# KiCad board Zynq_SoM.kicad_pcb
title: Board Layout; date: 2024-09-22; rev: 1.0; company: Asdrubale
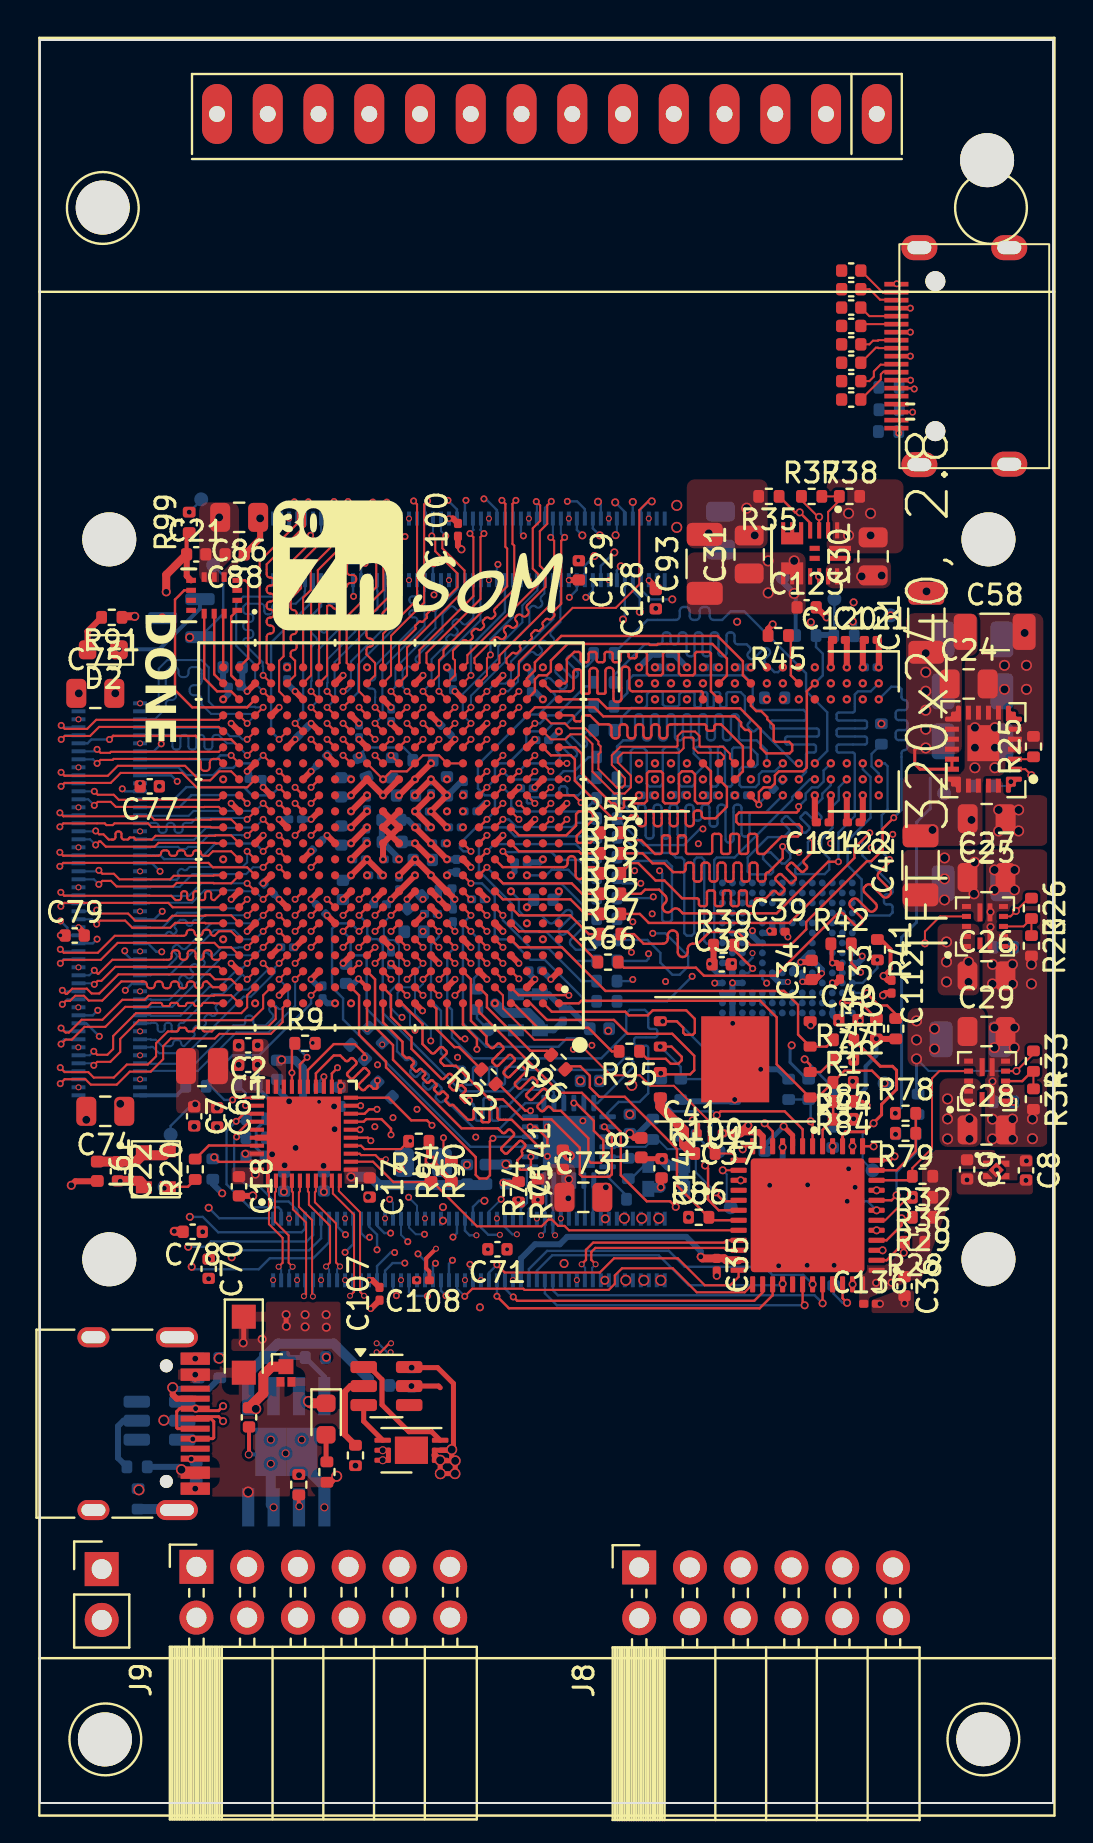
[diagram p0: board, top side]
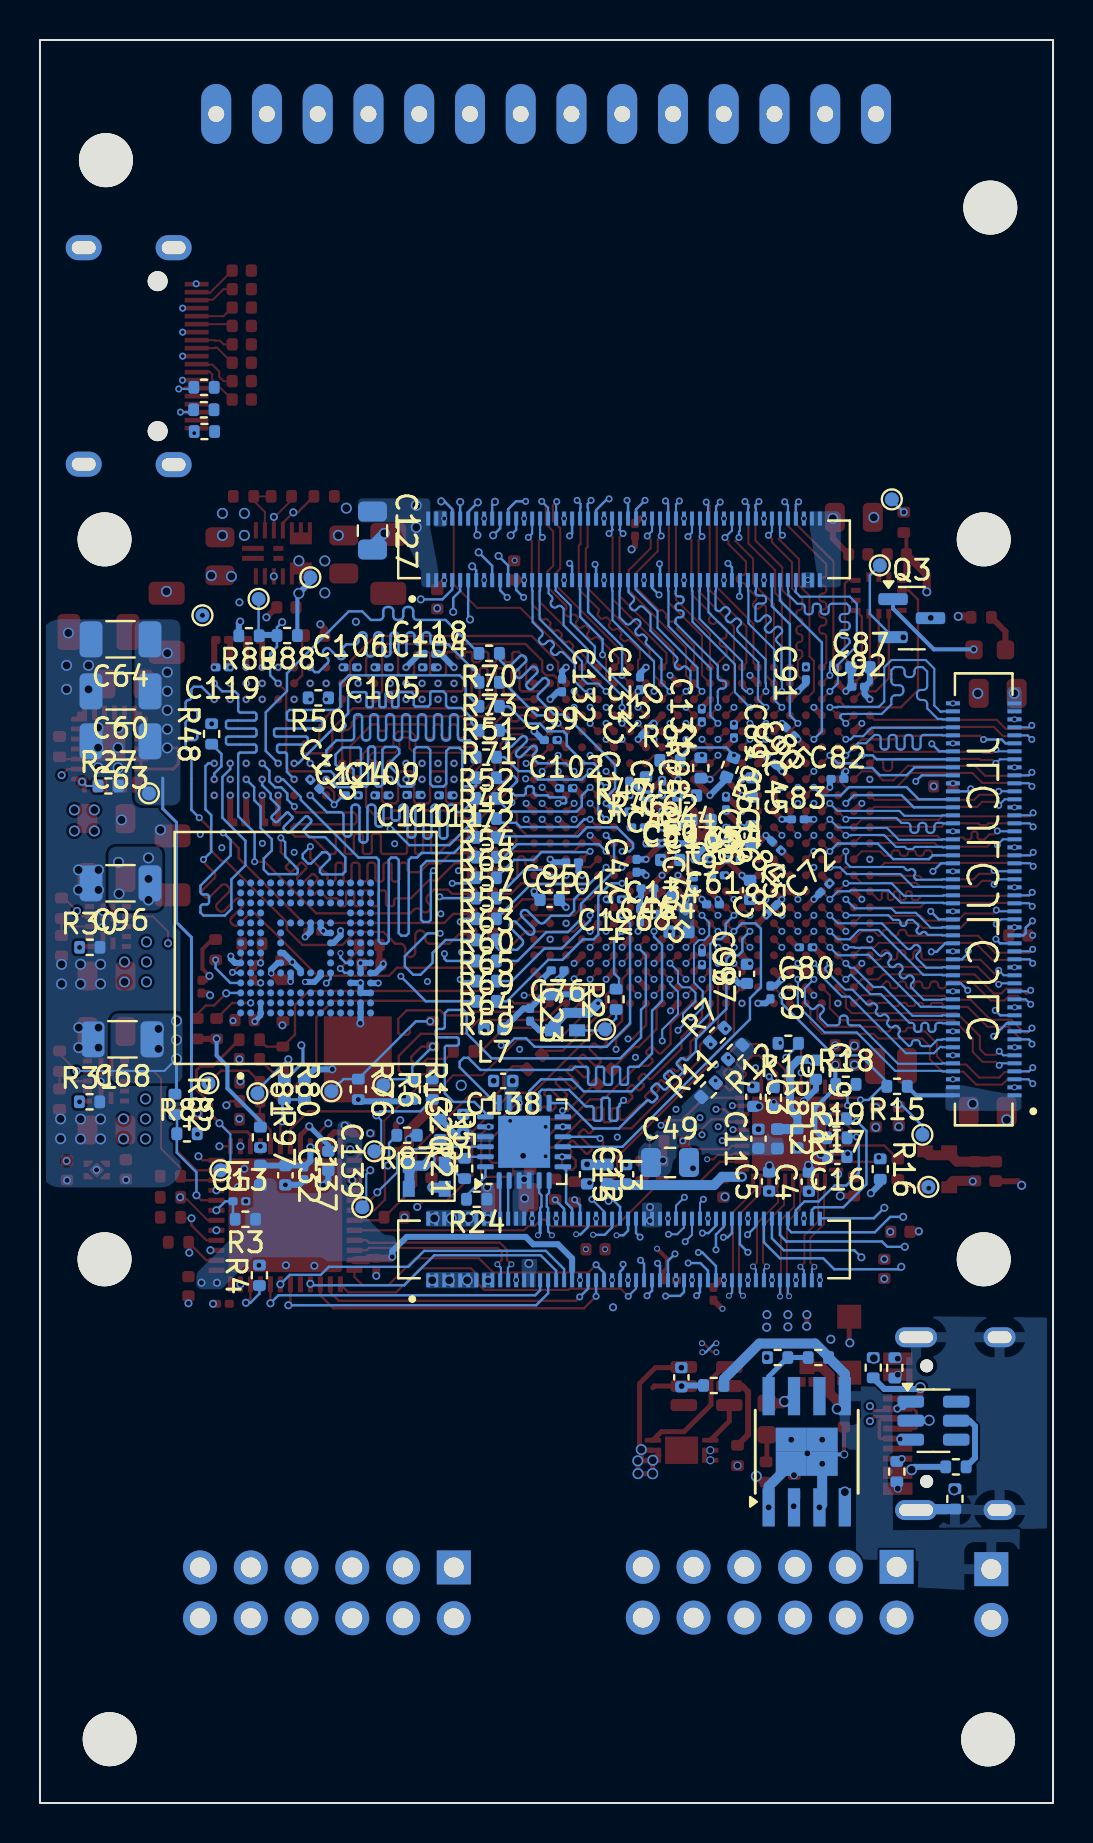
[diagram p1: board, bottom side, seen from below]

Outline 50.7 x 88.16 mm; copper layers: L1 (Sig), L2 (Gnd) (plane), L3 (Pwr) (plane), L4 (Sig+Pwr), L5 (Gnd) (plane), L6 (Sig+Pwr), L7 (Gnd) (plane), L8 (Sig). Coordinates in mm from the lower left corner of the outline.
Outline path: rectangle 0,88.16 50.7,0
Stack: L1 (Sig) 0.035mm / dielectric 0.0764mm FR4 er 3.91 / L2 (Gnd) 0.0152mm / dielectric 0.2mm FR4 er 4.36 / L3 (Pwr) 0.0152mm / dielectric 0.1528mm FR4 er 3.91 / L4 (Sig+Pwr) 0.0152mm / dielectric 0.2mm FR4 er 4.36 / L5 (Gnd) 0.0152mm / dielectric 0.1528mm FR4 er 3.91 / L6 (Sig+Pwr) 0.0152mm / dielectric 0.2mm FR4 er 4.36 / L7 (Gnd) 0.0152mm / dielectric 0.0764mm FR4 er 3.91 / L8 (Sig) 0.035mm

## Placement (name value [footprint] x y rotation side)
C1  4u7  [C_0402_1005Metric]  10.42 36.91 180 top
C2  100n  [C_0402_1005Metric]  10.42 37.89 180 top
C3  100n  [C_0402_1005Metric]  14.99 35.31 270 bottom
C4  100n  [C_0402_1005Metric]  12.22 31.07 90 bottom
C5  100n  [C_0402_1005Metric]  14.21 31.08 90 bottom
C6  100n  [C_0402_1005Metric]  8.87 34.29 270 top
C7  4u7  [C_0402_1005Metric]  7.72 34.34 270 top
C8  4u7  [C_0402_1005Metric]  49.35 31.63 270 top
C9  4u7  [C_0402_1005Metric]  46.4 31.68 270 top
C10  4u7  [C_0402_1005Metric]  12.79 33.24 270 bottom
C11  4u7  [C_0402_1005Metric]  14.74 33.21 90 bottom
C12  4u7  [C_0402_1005Metric]  23.32 31.44 270 bottom
C13  470n  [C_0201_0603Metric]  40.72 30.09 180 bottom
C15  4u7  [C_0402_1005Metric]  21.37 31.44 90 bottom
C16  100n  [C_0402_1005Metric]  10.79 32.31 0 bottom
C17  100n  [C_0402_1005Metric]  16.5 30.78 270 top
C18  100n  [C_0402_1005Metric]  9.96 30.84 270 top
C19  100n  [C_0402_1005Metric]  11.87 36.66 270 bottom
C20  100n  [C_0402_1005Metric]  29.52 33.96 90 bottom
C21  100n  [C_0402_1005Metric]  7.82 62.44 0 top
C22  100n  [C_0402_1005Metric]  3.9 31.59 270 top
C23  470n  [C_0201_0603Metric]  26.17 39.41 270 bottom
C24  47u  [C_0805_2012Metric]  46.48 55.96 0 top
C25  22u  [C_0805_2012Metric]  47.38 49.22 180 top
C26  22u  [C_0805_2012Metric]  47.37 41.36 0 top
C27  47u  [C_0805_2012Metric]  47.37 46.28 0 top
C28  47u  [C_0805_2012Metric]  47.37 33.66 0 top
C29  47u  [C_0805_2012Metric]  47.37 38.58 0 top
C30  22u  [C_0805_2012Metric]  41.69 62.34 90 top
C31  47u  [C_0805_2012Metric]  35.49 62.43 90 top
C32  4u7  [C_0402_1005Metric]  38.42 31.39 270 bottom
C33  470n  [C_0201_0603Metric]  40.04 41.52 270 top
C34  4u7  [C_0402_1005Metric]  38.62 41.66 90 top
C35  470n  [C_0201_0603Metric]  33.87 26.91 270 top
C36  4u7  [C_0402_1005Metric]  43.27 25.84 270 top
C37  470n  [C_0201_0603Metric]  34.47 33.49 180 top
C38  4u7  [C_0402_1005Metric]  34.12 41.94 0 top
C39  470n  [C_0201_0603Metric]  36.97 43.57 0 top
C40  4u7  [C_0402_1005Metric]  40.46 39.15 0 top
C41  470n  [C_0201_0603Metric]  32.57 33.49 0 top
C42  100u  [C_1206_3216Metric]  44.07 46.89 90 top
C43  470n  [C_0201_0603Metric]  17.97 45.99 90 bottom
C44  4u7  [C_0402_1005Metric]  18.32 50.38 0 bottom
C45  4u7  [C_0402_1005Metric]  15.07 50.79 270 bottom
C46  470n  [C_0201_0603Metric]  20.3 45.74 0 bottom
C47  470n  [C_0201_0603Metric]  20.84 46.86 90 bottom
C48  470n  [C_0201_0603Metric]  19.97 47.99 180 bottom
C49  47u  [C_0805_2012Metric]  19.17 32.03 180 bottom
C50  470n  [C_0201_0603Metric]  19.17 49.58 0 bottom
C51  100u  [C_1206_3216Metric]  44.36 59.02 90 top
C52  4u7  [C_0402_1005Metric]  15.16 45.66 270 bottom
C53  470n  [C_0201_0603Metric]  16.37 49.99 270 bottom
C54  470n  [C_0201_0603Metric]  15.97 47.19 180 bottom
C55  470n  [C_0201_0603Metric]  16.77 46.39 180 bottom
C56  470n  [C_0201_0603Metric]  16.33 48.39 270 bottom
C57  4u7  [C_0402_1005Metric]  20.37 50.84 270 bottom
C58  100u  [C_1206_3216Metric]  47.78 58.56 0 top
C59  4u7  [C_0402_1005Metric]  19.16 47.16 180 bottom
C60  100u  [C_1206_3216Metric]  46.67 55.59 0 bottom
C61  470n  [C_0201_0603Metric]  17.02 44.94 180 bottom
C62  470n  [C_0201_0603Metric]  19.17 48.79 180 bottom
C63  100u  [C_1206_3216Metric]  46.67 53.09 0 bottom
C64  100u  [C_1206_3216Metric]  46.67 58.19 0 bottom
C65  10u  [C_0402_1005Metric]  18.75 45.04 40 bottom
C66  4u7  [C_0402_1005Metric]  15.08 48.38 90 bottom
C67  470n  [C_0201_0603Metric]  19.57 50.79 90 bottom
C68  100u  [C_1206_3216Metric]  46.57 38.19 0 bottom
C69  470n  [C_0201_0603Metric]  14.14 40.54 270 bottom
C70  4u7  [C_0402_1005Metric]  8.44 26.71 270 top
C71  4u7  [C_0402_1005Metric]  22.89 27.69 180 top
C72  470n  [C_0201_0603Metric]  11.42 45.75 135 bottom
C73  47u  [C_0805_2012Metric]  27.19 30.29 0 top
C74  47u  [C_0805_2012Metric]  3.27 34.59 180 top
C75  47u  [C_0805_2012Metric]  2.77 55.49 0 top
C76  470n  [C_0201_0603Metric]  24.79 41.64 0 bottom
C77  4u7  [C_0402_1005Metric]  5.49 50.84 180 top
C78  4u7  [C_0402_1005Metric]  7.64 28.56 180 top
C79  4u7  [C_0402_1005Metric]  1.74 43.38 0 top
C80  470n  [C_0201_0603Metric]  12.37 42.79 0 bottom
C81  470n  [C_0201_0603Metric]  14.09 44.66 135 bottom
C82  470n  [C_0201_0603Metric]  10.79 51.21 180 bottom
C83  470n  [C_0201_0603Metric]  12.77 49.19 180 bottom
C84  470n  [C_0201_0603Metric]  13.84 47.86 45 bottom
C85  470n  [C_0201_0603Metric]  14.14 52.16 225 bottom
C86  47u  [C_0805_2012Metric]  9.97 64.29 180 top
C87  4u7  [C_0402_1005Metric]  9.64 56.79 180 bottom
C88  4u7  [C_0402_1005Metric]  9.74 62.44 180 top
C89  470n  [C_0201_0603Metric]  15.97 53.59 270 bottom
C90  470n  [C_0201_0603Metric]  13.16 53.58 45 bottom
C91  470n  [C_0201_0603Metric]  12.37 56.49 90 bottom
C92  470n  [C_0201_0603Metric]  9.75 55.82 180 bottom
C93  100u  [C_1206_3216Metric]  33.27 61.96 90 top
C94  470n  [C_0201_0603Metric]  20.67 44.39 90 bottom
C95  4u7  [C_0402_1005Metric]  25.19 45.16 180 bottom
C96  100u  [C_1206_3216Metric]  46.67 45.99 0 bottom
C97  4u7  [C_0402_1005Metric]  15.32 41.46 90 bottom
C98  470n  [C_0201_0603Metric]  17.57 42.24 270 bottom
C99  470n  [C_0201_0603Metric]  25.14 53.15 180 bottom
C100  470n  [C_0201_0603Metric]  20.92 63.66 90 top
C101  470n  [C_0201_0603Metric]  24.07 47.04 0 bottom
C102  470n  [C_0201_0603Metric]  24.37 50.74 180 bottom
C103  4u7  [C_0402_1005Metric]  17.59 49.16 0 bottom
C104  47n  [C_0201_0603Metric]  31.22 56.79 180 bottom
C105  47n  [C_0201_0603Metric]  33.57 56.79 0 bottom
C106  47n  [C_0201_0603Metric]  35.17 56.79 180 bottom
C107  470n  [C_0201_0603Metric]  16.99 25.46 90 top
C108  470n  [C_0201_0603Metric]  19.17 26.14 180 top
C109  47n  [C_0201_0603Metric]  33.59 50.39 180 bottom
C110  47n  [C_0201_0603Metric]  31.99 50.41 0 bottom
C111  47n  [C_0201_0603Metric]  30.39 50.39 0 bottom
C112  470n  [C_0201_0603Metric]  42.62 40.82 270 top
C113  47n  [C_0201_0603Metric]  36.94 50.94 225 bottom
C114  470n  [C_0201_0603Metric]  39.18 49.04 180 top
C115  0.1uF  [C_0402_1005Metric]  18.6 21.29 270 bottom
C116  10uF  [C_0402_1005Metric]  10.46 19.29 90 top
C117  22nF  [C_0402_1005Metric]  40.6 76.63 0 top
C118  47n  [C_0201_0603Metric]  31.21 57.46 180 bottom
C119  47n  [C_0201_0603Metric]  41.58 56.79 0 bottom
C120  47n  [C_0201_0603Metric]  39.99 58.16 0 top
C121  47n  [C_0201_0603Metric]  41.58 58.16 0 top
C122  47n  [C_0201_0603Metric]  40.73 49.04 180 top
C123  4u7  [C_0402_1005Metric]  38.37 59.79 0 top
C124  47n  [C_0201_0603Metric]  35.09 50.39 180 bottom
C125  47n  [C_0201_0603Metric]  21.22 50.76 90 bottom
C126  47n  [C_0201_0603Metric]  21.92 45.19 0 bottom
C127  47u  [C_0805_2012Metric]  34.06 63.63 270 bottom
C128  4u7  [C_0402_1005Metric]  30.82 60.19 90 top
C129  4u7  [C_0402_1005Metric]  26.97 61.64 270 top
C130  470n  [C_0201_0603Metric]  20.27 53.69 135 bottom
C131  470n  [C_0201_0603Metric]  17.58 54.39 90 bottom
C132  470n  [C_0201_0603Metric]  24.57 55.89 270 bottom
C133  470n  [C_0201_0603Metric]  20.67 55.99 90 bottom
C134  470n  [C_0201_0603Metric]  19.57 44.46 180 bottom
C135  470n  [C_0201_0603Metric]  17.55 47.19 180 bottom
C136  470n  [C_0201_0603Metric]  41.54 24.96 0 top
C137  470n  [C_0201_0603Metric]  37.47 31.49 270 bottom
C138  100n  [C_0402_1005Metric]  27.52 36.11 0 bottom
C139  4u7  [C_0402_1005Metric]  36.27 32.11 270 bottom
C140  22nF  [C_0402_1005Metric]  40.6 74.78 0 top
C141  4u7  [C_0402_1005Metric]  26.17 32.16 90 top
C142  100n  [C_0402_1005Metric]  31.11 31.74 270 top
C143  22nF  [C_0402_1005Metric]  40.6 72.94 0 top
C144  22nF  [C_0402_1005Metric]  40.6 71.1 0 top
C145  22nF  [C_0402_1005Metric]  40.6 75.7 0 top
C146  22nF  [C_0402_1005Metric]  40.6 73.86 0 top
C147  22nF  [C_0402_1005Metric]  40.6 72.02 0 top
C148  22nF  [C_0402_1005Metric]  40.6 70.18 0 top
D1  DSK34  [Nexperia_CFP3_SOD-123W]  10.2 22.92 270 top
D2  LED_Small  [LED_0603_1608Metric]  3.17 57.66 180 top
G***  LOGO  [zinc_symbol_new]  18.91 61.89 0 top
H1  MountingHole  [MountingHole_2.7mm_M2.5_ISO14580_MOD]  47.47 63.19 180 top
H2  MountingHole  [MountingHole_2.7mm_M2.5_ISO14580_MOD]  3.47 27.19 180 top
H3  MountingHole  [MountingHole_2.7mm_M2.5_ISO14580_MOD]  47.47 27.19 180 top
H4  MountingHole  [MountingHole_2.7mm_M2.5_ISO14580_MOD]  47.4 82.15 180 top
H4#2  MountingHole  [MountingHole_2.7mm_M2.5_ISO14580_MOD]  3.25 3.18 180 top
H4#3  MountingHole  [MountingHole_2.7mm_M2.5_ISO14580_MOD]  3.14 79.78 180 top
H4#4  MountingHole  [MountingHole_2.7mm_M2.5_ISO14580_MOD]  3.47 63.19 180 top
H4#5  MountingHole  [MountingHole_2.7mm_M2.5_ISO14580_MOD]  47.21 3.19 180 top
J1  DF40C-100DS-0.4V_51  [HRS_DF40C-100DS-0.4V_51_]  21.47 27.68 0 bottom
J2  DF40C-100DS-0.4V_51  [HRS_DF40C-100DS-0.4V_51_]  21.47 62.69 0 bottom
J3  DF40C-100DS-0.4V_51  [HRS_DF40C-100DS-0.4V_51_]  3.47 45.19 270 bottom
J4  Conn_01x14_Pin  [TFT-320x240]  25.37 84.46 180 top
J5  USB_C_Receptacle_USB2.0  [USB_C_Receptacle_HRO_TYPE-C-31-M-12]  3.72 18.97 270 top
J6  HDMI_C_1.3  [XKB Connection A71-05H4-111N1]  44.01 72.35 90 top
J7  Conn_01x02_Pin  [PinHeader_1x02_P2.54mm_Vertical]  3.09 11.69 0 top
J8  Conn_01x12_Pin  [PinSocket_2x06_P2.54mm_Horizontal]  29.99 11.78 90 top
J9  Conn_01x12_Pin  [PinSocket_2x06_P2.54mm_Horizontal]  7.83 11.81 90 top
L1  3u3  [L_0806_2.0x1.6mm]  8.11 36.85 180 top
L2  120R  [L_0402_1005Metric]  13.79 33.21 270 bottom
L3  120R  [L_0402_1005Metric]  22.32 31.44 270 bottom
L4  120R  [L_0402_1005Metric]  18.72 43.56 180 bottom
L5  600@100MHz  [L_0402_1005Metric]  39.67 31.39 90 bottom
L6  120R  [L_0402_1005Metric]  2.87 31.59 270 top
L7  120R  [L_0402_1005Metric]  28 38.72 0 bottom
L8  120R  [L_0402_1005Metric]  30.09 32.77 90 top
L9  120R  [L_0402_1005Metric]  17.63 48.06 0 bottom
LED1  LED_RED  [LED_0603_1608Metric]  14.32 19.2 270 top
Q1  HSCC8233  [DFN-6-1EP_3x2mm_P0.5mm_EP1.65x1.35mm_Dual_MOSFETs]  18.59 17.64 180 top
Q3  NMOS  [SOT-23]  7.07 59.25 180 bottom
Q4  DMP2104LP  [Diodes_DFN1411-3]  12.31 21.44 90 top
R1  10k  [R_0402_1005Metric]  40.22 38.16 180 top
R2  22R  [R_0402_1005Metric]  21.87 40.19 90 bottom
R3  1k5  [R_0402_1005Metric]  40.42 29.19 0 bottom
R4  1k5  [R_0402_1005Metric]  39.72 26.39 90 bottom
R5  10k  [R_0402_1005Metric]  30.67 33.69 270 bottom
R6  10k  [R_0402_1005Metric]  31.07 35.69 90 bottom
R7  4k7  [R_0402_1005Metric]  16.8 38.4 135 bottom
R8  4k7  [R_0402_1005Metric]  13.99 35.26 270 bottom
R9  4k7  [R_0402_1005Metric]  13.27 37.99 0 top
R10  4k7  [R_0402_1005Metric]  13.25 37.99 0 bottom
R11  4k7  [R_0402_1005Metric]  17.24 35.66 135 bottom
R12  4k7  [R_0402_1005Metric]  15.91 37.55 315 bottom
R13  10k  [R_0402_1005Metric]  32.07 35.69 270 bottom
R14  1k5  [R_0402_1005Metric]  18.96 33.09 180 top
R15  10k  [R_0402_1005Metric]  7.81 35.84 0 bottom
R16  2k49  [R_0402_1005Metric]  8.65 31.7 270 bottom
R17  4k7  [R_0402_1005Metric]  10.84 34.21 0 bottom
R18  4k7  [R_0402_1005Metric]  10.37 35.94 180 bottom
R19  4k7  [R_0402_1005Metric]  10.82 33.26 180 bottom
R20  22R  [R_0402_1005Metric]  7.77 31.69 90 top
R21  22R  [R_0402_1005Metric]  29.44 31.73 90 bottom
R22  22R  [R_0402_1005Metric]  22.44 36.31 135 top
R23  100k  [R_0402_1005Metric]  49.62 42.86 270 top
R24  8k06  [R_0402_1005Metric]  28.84 30.19 0 bottom
R25  28k7  [R_0402_1005Metric]  49.72 52.83 90 top
R26  200k  [R_0402_1005Metric]  49.62 44.74 270 top
R27  100k  [R_0402_1005Metric]  47.28 50.86 180 bottom
R28  100k  [R_0402_1005Metric]  43.77 28.04 180 top
R29  100k  [R_0402_1005Metric]  44.17 29.29 180 top
R30  100k  [R_0402_1005Metric]  48.21 42.79 180 bottom
R31  100k  [R_0402_1005Metric]  48.22 35.06 180 bottom
R32  100k  [R_0402_1005Metric]  44.17 31.34 180 top
R33  200k  [R_0402_1005Metric]  49.72 37.1 270 top
R34  44k2  [R_0402_1005Metric]  49.72 35.2 270 top
R35  100k  [R_0402_1005Metric]  36.48 65.34 180 top
R36  100k  [R_0402_1005Metric]  44.17 30.29 180 top
R37  200k  [R_0402_1005Metric]  38.62 65.34 0 top
R38  160k  [R_0402_1005Metric]  40.51 65.34 0 top
R39  10k  [R_0402_1005Metric]  34.22 42.9 0 top
R40  10k  [R_0402_1005Metric]  42.83 38.72 90 top
R41  10k  [R_0402_1005Metric]  41.91 42.67 270 top
R42  10k  [R_0402_1005Metric]  40.09 42.96 0 top
R43  10k  [R_0402_1005Metric]  41.86 38.72 90 top
R44  10k  [R_0402_1005Metric]  40.19 36.04 180 top
R45  240R  [R_0402_1005Metric]  36.95 58.38 180 top
R46  100R  [R_0201_0603Metric]  20.77 48.79 180 bottom
R47  100R  [R_0201_0603Metric]  21.54 49.59 180 bottom
R48  4k7  [R_0402_1005Metric]  42.11 53.46 90 bottom
R49  22R  [R_0402_1005Metric]  28.37 51.27 0 bottom
R50  100R  [R_0402_1005Metric]  36.77 55.26 0 bottom
R51  22R  [R_0402_1005Metric]  28.22 54.84 0 bottom
R52  22R  [R_0402_1005Metric]  28.37 52.3 0 bottom
R53  22R  [R_0402_1005Metric]  28.56 48.52 0 top
R54  22R  [R_0402_1005Metric]  28.37 49.23 0 bottom
R55  22R  [R_0402_1005Metric]  28.37 46.27 0 bottom
R56  22R  [R_0402_1005Metric]  28.56 47.49 0 top
R57  22R  [R_0402_1005Metric]  28.37 47.3 0 bottom
R58  22R  [R_0402_1005Metric]  28.56 46.49 0 top
R59  22R  [R_0402_1005Metric]  28.37 40.09 0 bottom
R60  22R  [R_0402_1005Metric]  28.37 44.21 0 bottom
R61  22R  [R_0402_1005Metric]  28.56 45.46 0 top
R62  22R  [R_0402_1005Metric]  28.56 44.46 0 top
R63  22R  [R_0402_1005Metric]  28.37 45.25 0 bottom
R64  22R  [R_0402_1005Metric]  28.37 41.1 0 bottom
R65  22R  [R_0402_1005Metric]  28.37 43.16 0 bottom
R66  22R  [R_0402_1005Metric]  28.43 42.05 0 top
R67  22R  [R_0402_1005Metric]  28.56 43.45 0 top
R68  22R  [R_0402_1005Metric]  28.38 48.29 0 bottom
R69  22R  [R_0402_1005Metric]  28.37 42.11 0 bottom
R70  22R  [R_0402_1005Metric]  28.22 57.49 0 bottom
R71  22R  [R_0402_1005Metric]  28.22 53.64 0 bottom
R72  22R  [R_0402_1005Metric]  28.37 50.24 0 bottom
R73  22R  [R_0402_1005Metric]  28.22 56.04 0 bottom
R74  10k  [R_0402_1005Metric]  24.92 30.69 90 top
R75  10k  [R_0402_1005Metric]  23.95 30.56 270 top
R76  10k  [R_0402_1005Metric]  34.77 35.69 270 bottom
R77  10k  [R_0402_1005Metric]  40.22 37.19 0 top
R78  100k  [R_0402_1005Metric]  43.32 34.49 0 top
R79  100k  [R_0402_1005Metric]  43.32 33.49 180 top
R80  5k1  [R_0402_1005Metric]  38.47 35.69 270 bottom
R81  12k  [R_0402_1005Metric]  37.47 35.69 90 bottom
R82  100k  [R_0402_1005Metric]  43.94 34.94 270 bottom
R83  100k  [R_0402_1005Metric]  43.34 33.46 180 bottom
R84  100k  [R_0402_1005Metric]  40.19 35.09 180 top
R85  100k  [R_0402_1005Metric]  40.21 34.19 0 top
R86  10k  [R_0402_1005Metric]  32.97 29.29 0 top
R87  10k  [R_0402_1005Metric]  32.33 33.39 0 bottom
R88  10k  [R_0402_1005Metric]  38.33 58.38 0 bottom
R89  10k  [R_0402_1005Metric]  40.24 58.37 0 bottom
R90  10k  [R_0402_1005Metric]  19.57 31.59 270 top
R91  330  [R_0402_1005Metric]  3.59 59.29 180 top
R92  10k  [R_0402_1005Metric]  19.17 52.14 180 bottom
R93  10k  [R_0402_1005Metric]  16.17 51.79 290 bottom
R94  10k  [R_0402_1005Metric]  20.59 31.59 90 top
R95  22R  [R_0402_1005Metric]  29.49 37.59 180 top
R96  22R  [R_0402_1005Metric]  25.94 37.05 135 top
R97  10k  [R_0402_1005Metric]  39.67 33.29 270 bottom
R98  4k7  [R_0402_1005Metric]  17.63 51.76 90 bottom
R99  4k7  [R_0402_1005Metric]  7.47 64.04 90 top
R100  10k  [R_0402_1005Metric]  33.28 32.48 0 top
R101  1M  [R_0402_1005Metric]  4.91 15.21 270 bottom
R102  5.1K  [R_0402_1005Metric]  9 21.77 270 bottom
R103  5.1K  [R_0402_1005Metric]  7.82 16.57 90 bottom
R104  100K  [R_0402_1005Metric]  7.92 21.76 270 bottom
R105  10K  [R_0402_1005Metric]  4.86 16.81 180 bottom
R106  1K  [R_0402_1005Metric]  14.36 16.55 90 top
R107  470  [R_0402_1005Metric]  16.98 20.88 180 bottom
R108  100K  [R_0402_1005Metric]  13.78 22.28 0 bottom
R109  2.4K  [R_0402_1005Metric]  12.95 15.92 90 top
R110  10K  [R_0402_1005Metric]  11.74 22.28 0 bottom
R111  1K  [R_0402_1005Metric]  15.79 17.38 90 top
R112  470  [R_0402_1005Metric]  42.49 70.79 180 bottom
R113  10k  [R_0402_1005Metric]  42.5 69.67 180 bottom
R114  470  [R_0402_1005Metric]  42.47 68.58 180 bottom
TP1  TestPoint  [TestPoint_Pad_D0.7mm]  42.57 59.39 0 bottom
TP2  TestPoint  [TestPoint_Pad_D0.7mm]  8.07 65.19 0 bottom
TP3  TestPoint  [TestPoint_Pad_D0.7mm]  8.67 61.89 0 bottom
TP4  TestPoint  [TestPoint_Pad_D0.7mm]  22.42 38.69 0 bottom
TP5  TestPoint  [TestPoint_Pad_D0.7mm]  34.57 29.79 0 bottom
TP6  TestPoint  [TestPoint_Pad_D0.7mm]  42.27 35.99 0 bottom
TP7  TestPoint  [TestPoint_Pad_D0.7mm]  36.12 35.59 0 bottom
TP8  TestPoint  [TestPoint_Pad_D0.7mm]  39.82 35.49 0 bottom
TP9  TestPoint  [TestPoint_Pad_D0.7mm]  41.67 31.64 0 bottom
TP10  TestPoint  [TestPoint_Pad_D0.7mm]  33.97 32.59 0 bottom
TP11  TestPoint  [TestPoint_Pad_D0.7mm]  33.52 35.89 0 bottom
TP12  TestPoint  [TestPoint_Pad_D0.7mm]  6.24 30.81 0 bottom
TP13  TestPoint  [TestPoint_Pad_D0.7mm]  6.54 33.42 0 bottom
TP14  TestPoint  [TestPoint_Pad_D0.7mm]  45.25 50.49 0 bottom
TP15  TestPoint  [TestPoint_Pad_D0.7mm]  37.17 61.29 0 bottom
TP16  TestPoint  [TestPoint_Pad_D0.7mm]  39.76 60.21 0 bottom
U1  MT41K256M16TW-107_P  [BGA96C80P9X16_1400X800X120]  35.98 53.59 90 top
U2  XC7Z020-CLG484  [CLG484_XIL-L_new]  17.57 48.39 180 top
U3  RTL8211F  [RTL8211F-CG_RTK-L]  13.21 33.47 90 top
U4  -  [MPM3834]  47.29 43.83 90 top
U5  USB3318  [QFN-24-1EP_4x4mm_P0.5mm_EP2.6x2.6mm]  26.47 33.06 90 bottom
U6  -  [MPM3834]  47.4 36.1 90 top
U7  IS21ES08G  [BGA153N50P14X14_1150X1300X100]  37.4 42.76 90 bottom
U8  TPSM82864  [B0QFN_RDJ]  47.22 52.7 180 top
U9  STM32G431CBUx  [STM32G431CBU6]  38.42 29.39 180 top
U10  MPM3822  [QFN_2p5x3p5x1p6_MNP]  38.54 62.49 270 top
U11  W25Q128JVS  [WSON-8-1EP_8x6mm_P1.27mm_EP3.4x4.3mm]  34.79 37.19 180 top
U12  SRV05-4  [SOT-23-6]  5.98 19.12 180 bottom
U13  TPS7A20  [TLV707]  47.86 31.65 0 top
U14  BMI323  [BMI323_BOS]  8.72 60.39 180 top
U15  TP4056  [TI_SO-PowerPAD-8]  12.33 17.56 90 bottom
U16  DW01x  [SOT-23-6]  17.34 20.85 0 top
X1  ASCO  [Oscillator_SMD_Kyocera_4PIN_2.0x1.6mm]  31.34 31.31 180 bottom
X2  ASE-xxxMHz  [Oscillator_SMD_Kyocera_4PIN_2.0x1.6mm]  5.8 31.69 270 top
X3  CMOS_OSC  [Oscillator_SMD_Kyocera_4PIN_2.0x1.6mm]  24.42 39.54 270 bottom
